# KiCad board EBAZ4205.kicad_pcb (continued)
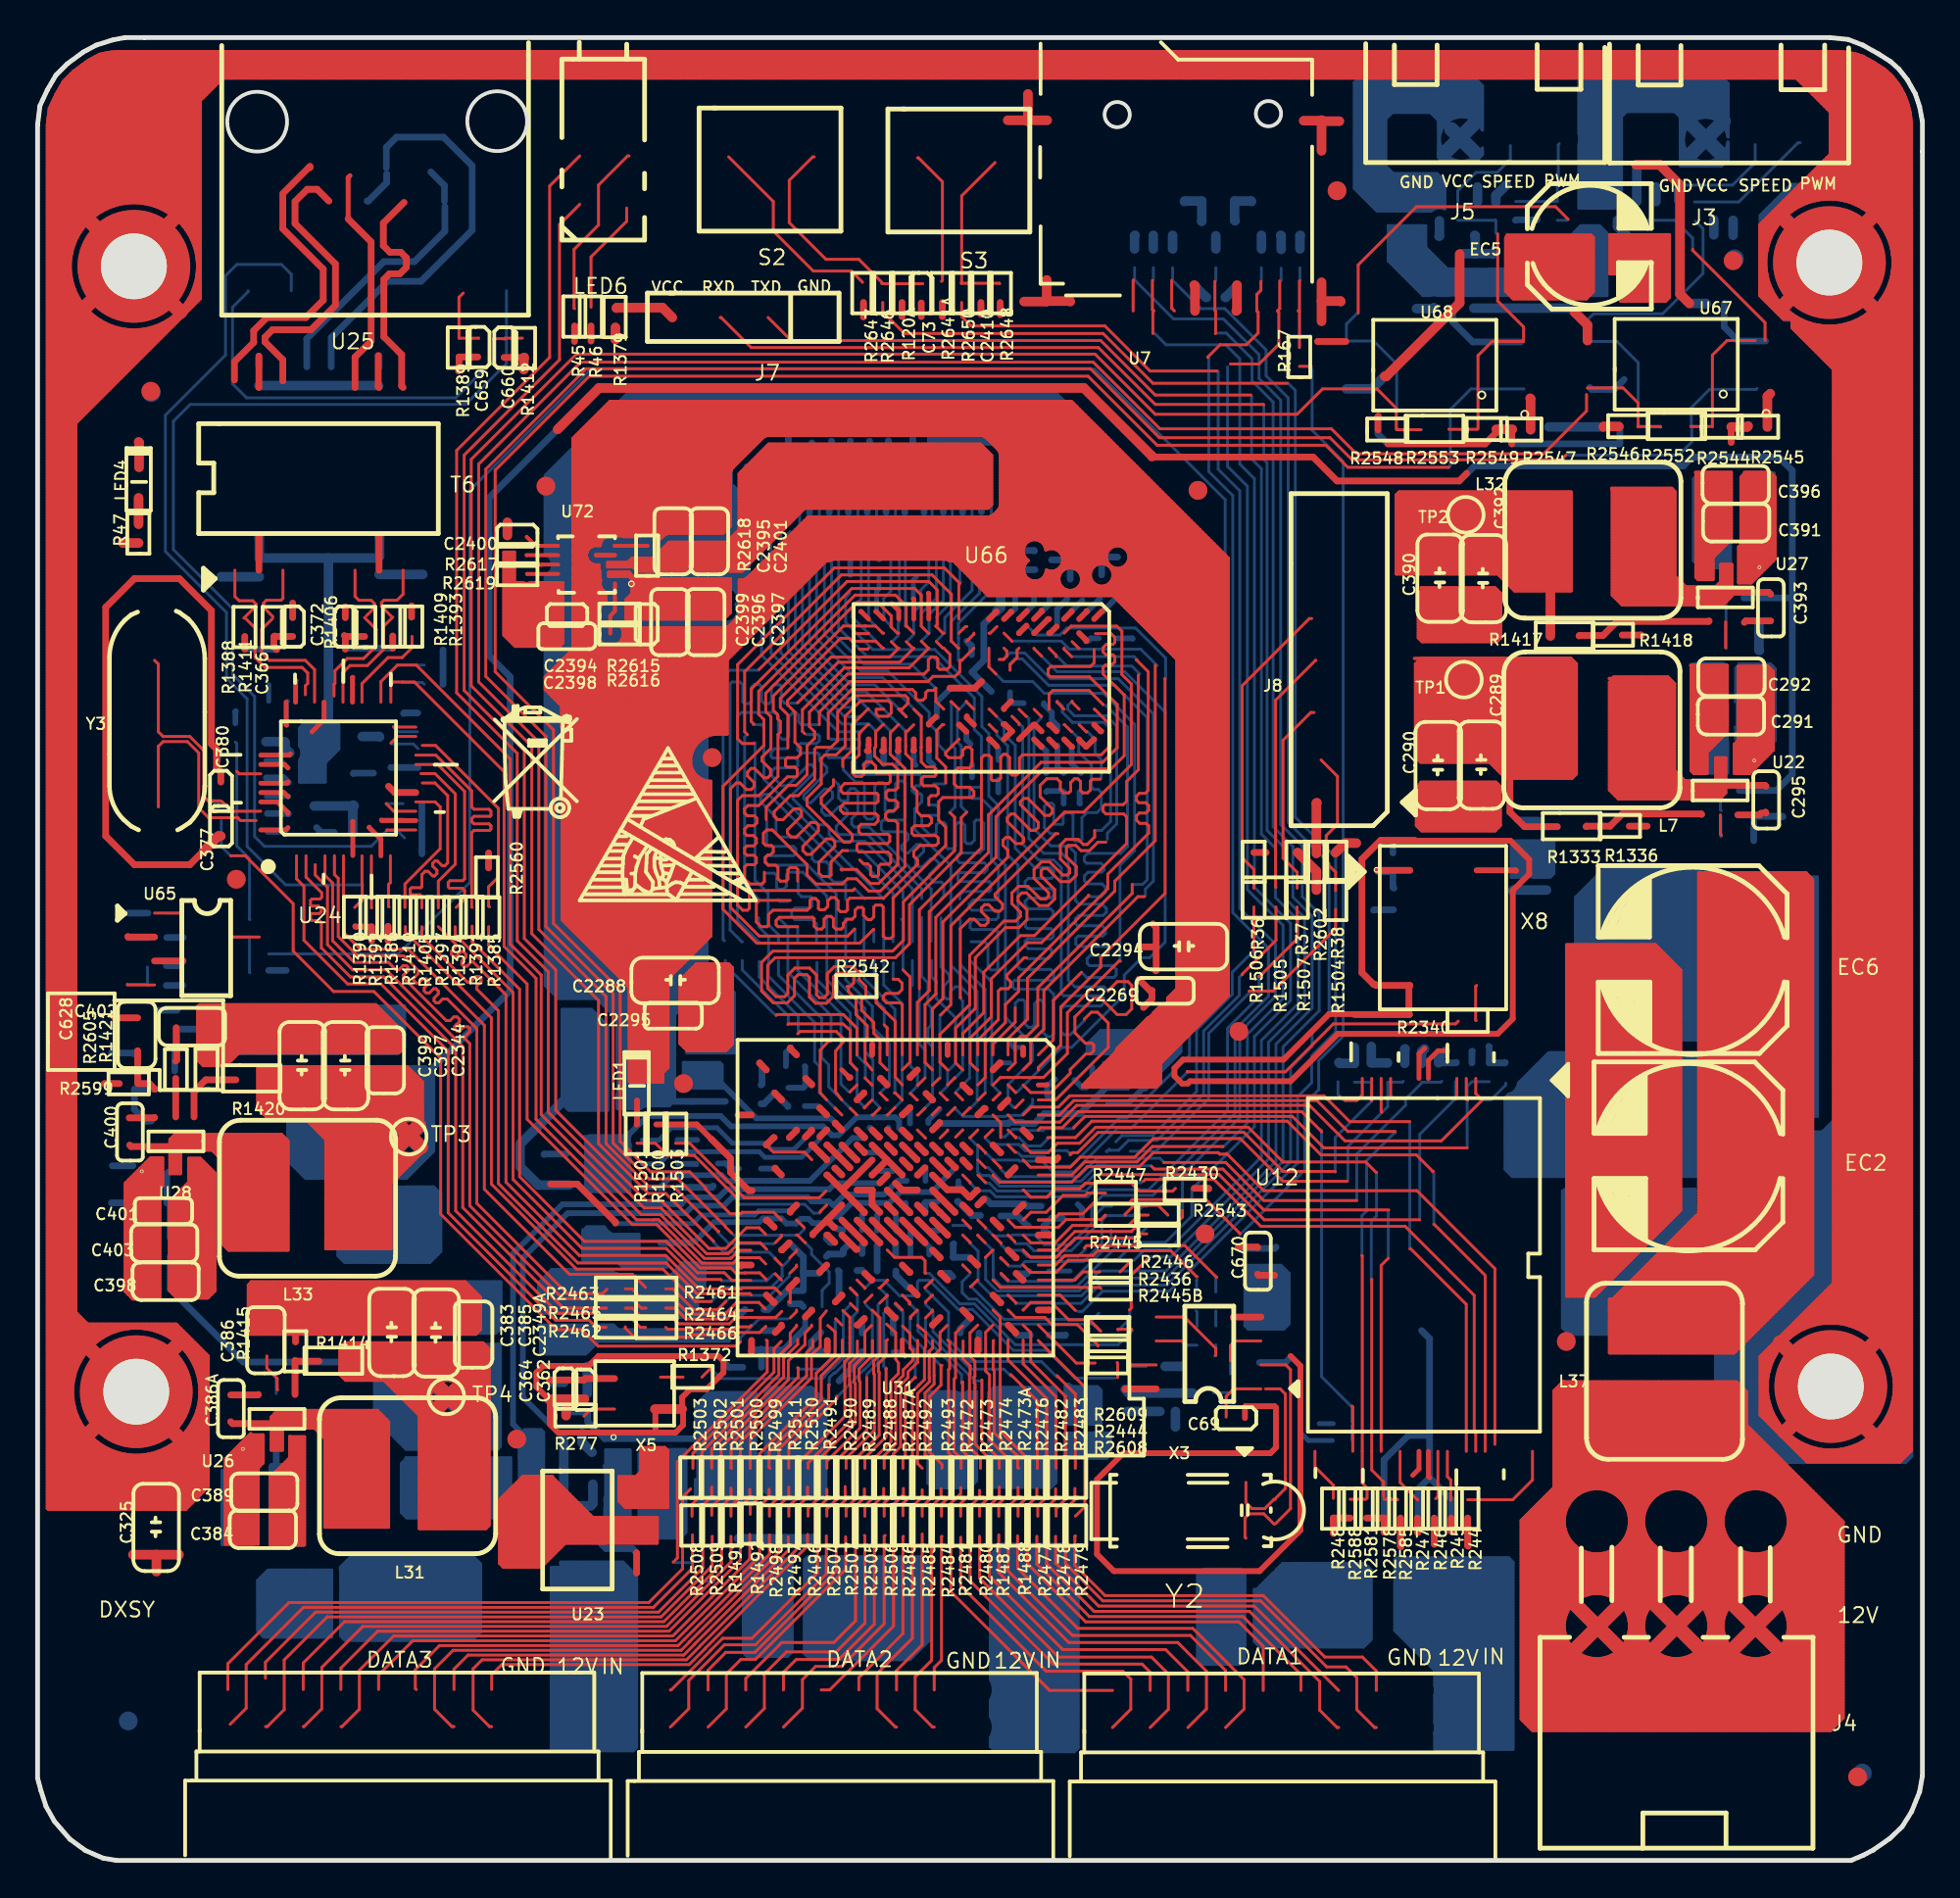
[diagram p0: board, top side]
## Routing (per net, layer and track width the routed paths; a pad name or vN(x,y) marks a point on that pad's centre or on a via; arc(x,y) is an arc through that point) (continued)
  In2.Cu w0.178: 0.54,50.26 1.89,50.26 ; 73.58,0.72 73.58,4.78 ; 95.37,20.08 95.37,21.98 ; 0.55,12.47 8.23,12.47 ; 0.53,86.08 2.12,86.08 ; 0.53,66.57 1.88,66.57 ; 31.67,0.72 31.67,4.7 ; 0.54,44.62 1.89,44.62 ; 91.67,24.51 92.26,24.51 ; 94.76,0.72 94.76,5.8 ; 95.9,11.7 99.27,11.7 ; 8.18,85.92 8.49,85.92 ; 21.31,0.72 21.31,4.67 ; 0.54,26.18 2.25,26.18 ; 57.73,0.72 57.73,4.75 ; 4.08,0.72 4.08,21.93 ; 95.68,28.46 95.68,29.04 ; 0.54,46.15 1.89,46.15 ; 0.53,70.38 1.88,70.38 ; 52.09,0.72 52.09,4.74 ; 0.54,20.54 8.3,20.54 ; 0.95,3.17 98.47,3.17 ; 0.53,81.5 7.2,81.5 ; 65.35,0.72 65.35,4.76 ; 0.53,58.8 1.88,58.8 ; 0.53,63.83 1.88,63.83 ; 92.32,23.16 92.32,24.28 ; 29.23,0.72 29.23,4.69 ; 66.72,0.72 66.72,4.77 ; 93.07,28.32 94.45,28.32 ; 86.53,0.72 86.53,4.81 ; 75.25,0.72 75.25,4.78 ; 87.45,0.72 87.45,4.81 ; 35.78,0.72 35.78,4.7 ; 53.92,0.72 53.92,4.74 ; 75.86,0.72 75.86,4.79 ; 16.89,0.72 16.89,4.66 ; 0.53,54.83 1.89,54.83 ; 8.06,83.48 8.48,83.48 ; 0.54,34.41 1.9,34.41 ; 0.54,21 8.3,21 ; 0.53,75.1 1.87,75.1 ; 1.13,2.87 98.17,2.87 ; 60.01,0.72 60.01,4.75 ; 0.53,79.98 5.66,79.98 ; 98.27,26.78 98.27,29.04 ; 19.32,0.72 19.32,4.67 ; 43.86,0.72 43.86,4.72 ; 0.53,80.74 6.43,80.74 ; 54.83,0.72 54.83,4.74 ; 0.54,35.48 1.9,35.48 ; 61.69,0.72 61.69,4.76 ; 96.4,28.32 99.27,28.32 ; 26.49,0.72 26.49,4.68 ; 94.61,20.85 94.61,22.09 ; 6.67,0.72 6.67,15.08 ; 1.65,93.24 8.53,93.24 ; 8.2,82.48 8.2,83.82 ; 6.43,15.82 7.49,15.82 ; 1.41,92.48 8.53,92.48 ; 0.55,10.18 8.21,10.18 ; 0.54,40.05 1.89,40.05 ; 4.85,88.08 4.85,95.79 ; 61.08,0.72 61.08,4.76 ; 53.46,0.72 53.46,4.74 ; 92.63,22.85 92.63,23.59 ; 96.29,28.35 96.29,29.04 ; 49.8,0.72 49.8,4.73 ; 33.19,0.72 33.19,4.7 ; 0.54,38.83 1.89,38.83 ; 0.54,37.61 1.89,37.61 ; 97.2,27.94 97.2,29.04 ; 48.28,0.72 48.28,4.73 ; 3.32,87.54 3.32,95.1 ; 92.65,22.83 93.24,22.83 ; 52.55,0.72 52.55,4.74 ; 37.92,0.72 37.92,4.71 ; 35.33,0.72 35.33,4.7 ; 78.15,0.72 78.15,4.79 ; 0.53,53.92 1.89,53.92 ; 0.53,64.59 1.88,64.59 ; 0.53,65.96 1.88,65.96 ; 53.31,0.72 53.31,4.74 ; 0.54,27.25 2.97,27.25 ; 6.96,27.71 7.08,27.71 ; 47.37,0.72 47.37,4.73 ; 94.15,28.21 94.15,29.04 ; 32.28,0.72 32.28,4.7 ; 0.53,74.8 1.87,74.8 ; 94,28.14 94,29.04 ; 22.68,0.72 22.68,4.68 ; 84.25,0.72 84.25,4.8 ; 93.41,22.07 94.69,22.07 ; 0.53,67.94 1.88,67.94 ; 97.96,2.66 97.96,23.21 ; 72.51,0.72 72.51,4.78 ; 0.55,6.52 8.18,6.52 ; 0.55,14.9 8.25,14.9 ; 2.71,26.97 2.71,28.33 ; 7.28,0.72 7.28,15.89 ; 0.53,85.01 1.89,85.01 ; 68.7,0.72 68.7,4.77 ; 6.37,15.83 6.37,21.91 ; 0.53,78.3 3.95,78.3 ; 0.54,38.68 1.89,38.68 ; 6.52,80.83 6.52,81.93 ; 4.24,87.97 4.24,95.65 ; 2.71,77.08 2.71,82.69 ; 2.92,94.76 8.54,94.76 ; 6.39,21.92 8.31,21.92 ; 0.53,79.22 4.88,79.22 ; 6.52,0.72 6.52,14.96 ; 0.53,78.76 4.42,78.76 ; 81.2,0.72 81.2,4.8 ; 0.53,79.67 5.35,79.67 ; 0.55,13.99 8.25,13.99 ; 9.42,0.72 9.42,4.65 ; 4.39,78.73 4.39,81.69 ; 6.22,0.72 6.22,14.93 ; 0.53,75.41 1.87,75.41 ; 4.24,28.03 4.24,28.3 ; 67.63,0.72 67.63,4.77 ; 85.92,0.72 85.92,4.81 ; 2.28,1.49 96.79,1.49 ; 41.27,0.72 41.27,4.72 ; 79.98,0.72 79.98,4.79 ; 39.9,0.72 39.9,4.71 ; 9.88,0.72 9.88,4.65 ; 0.53,58.49 1.88,58.49 ; 0.53,79.52 5.19,79.52 ; 89.12,0.72 89.12,4.81 ; 33.65,0.72 33.65,4.7 ; 0.55,18.41 8.28,18.41 ; 95.03,6.07 99.27,6.07 ; 0.54,51.02 1.89,51.02 ; 8.37,84.86 8.48,84.86 ; 0.52,89.12 8.51,89.12 ; 0.53,69.62 1.88,69.62 ; 63.22,0.72 63.22,4.76 ; 0.54,22.68 2.94,22.68 ; 40.51,0.72 40.51,4.71 ; 0.53,75.71 1.87,75.71 ; 62.61,0.72 62.61,4.76 ; 0.54,19.93 8.29,19.93 ; 7.8,86.69 8.49,86.69 ; 6.68,27.86 6.92,27.86 ; 5.41,16.58 7.19,16.58 ; 0.54,41.57 1.89,41.57 ; 0.54,51.79 1.89,51.79 ; 64.13,0.72 64.13,4.76 ; 36.55,0.72 36.55,4.71 ; 0.54,23.9 2.18,23.9 ; 0.54,39.59 1.89,39.59 ; 0.55,14.3 8.25,14.3 ; 4.85,16.67 4.85,21.73 ; 96.59,1.29 96.59,22.2 ; 15.06,0.72 15.06,4.66 ; 86.23,0.72 86.23,4.81 ; 0.53,70.53 1.88,70.53 ; 95.9,8.05 99.27,8.05 ; 0.53,62.45 1.88,62.45 ; 0.53,74.95 1.87,74.95 ; 4.39,88.01 4.39,95.68 ; 96.79,28.16 99.27,28.16 ; 0.55,10.94 8.22,10.94 ; 0.55,16.73 8.27,16.73 ; 0.54,31.97 1.9,31.97 ; 7.13,16.51 7.13,22.31 ; 0.55,16.12 4.64,16.12 ; 5.76,88.03 5.76,95.99 ; 0.68,90.19 8.51,90.19 ; 87.6,0.72 87.6,4.81 ; 51.48,0.72 51.48,4.74 ; 0.54,44.01 1.89,44.01 ; 97.08,28.01 99.27,28.01 ; 7.99,83.33 8.48,83.33 ; 94.58,5.61 99.27,5.61 ; 98.45,24.05 99.27,24.05 ; 95.9,12.62 99.27,12.62 ; 96.74,1.44 96.74,22.26 ; 4.85,28.17 4.85,28.31 ; 0.54,40.97 1.89,40.97 ; 2.71,87.01 2.71,94.59 ; 0.55,4.54 99.27,4.54 ; 0.55,3.93 99.23,3.93 ; 85.01,0.72 85.01,4.8 ; 55.29,0.72 55.29,4.74 ; 70.84,0.72 70.84,4.78 ; 2.86,87.17 2.86,94.72 ; 0.55,16.58 4.74,16.58 ; 18.41,0.72 18.41,4.67 ; 2.41,86.62 2.41,94.34 ; 44.77,0.72 44.77,4.72 ; 88.82,0.72 88.82,4.81 ; 92.93,22.55 92.93,23.15 ; 58.49,0.72 58.49,4.75 ; 3.63,0.75 3.63,22.14 ; 0.55,15.06 6,15.06 ; 88.36,0.72 88.36,4.81 ; 52.7,0.72 52.7,4.74 ; 0.54,29.69 1.9,29.69 ; 7.59,16.73 7.59,22.71 ; 5.46,28.18 5.46,28.31 ; 0.87,90.8 8.52,90.8 ; 0.54,22.37 3.29,22.37 ; 0.54,30.3 1.9,30.3 ; 41.57,0.72 41.57,4.72 ; 87.75,0.72 87.75,4.81 ; 91.67,24.35 92.3,24.35 ; 19.93,0.72 19.93,4.67 ; 0.53,85.31 1.92,85.31 ; 96.29,0.98 96.29,22.1 ; 0.54,52.85 1.89,52.85 ; 5.3,79.63 5.3,81.61 ; 82.11,0.72 82.11,4.8 ; 0.54,47.37 1.89,47.37 ; 95.21,20.24 99.27,20.24 ; 98.63,25.73 99.27,25.73 ; 0.54,33.65 1.9,33.65 ; 0.53,68.85 1.88,68.85 ; 5.68,81.66 7.36,81.66 ; 0.54,41.88 1.89,41.88 ; 8.05,82.33 8.05,83.45 ; 34.26,0.72 34.26,4.7 ; 0.53,59.56 1.88,59.56 ; 39.75,0.72 39.75,4.71 ; 0.53,67.48 1.88,67.48 ; 95.9,11.55 99.27,11.55 ; 81.5,0.72 81.5,4.8 ; 0.92,90.95 8.52,90.95 ; 91.64,26.18 92.33,26.18 ; 0.55,11.4 8.22,11.4 ; 45.23,0.72 45.23,4.72 ; 0.54,47.82 1.89,47.82 ; 0.54,25.42 2.04,25.42 ; 0.53,82.57 2.82,82.57 ; 50.57,0.72 50.57,4.73 ; 0.54,26.79 2.58,26.79 ; 93.09,22.39 93.09,22.98 92.5,22.98 ; 0.54,36.09 1.9,36.09 ; 4.69,88.06 4.69,95.75 ; 63.98,0.72 63.98,4.76 ; 97.81,2.51 97.81,23.03 ; 0.54,52.55 1.89,52.55 ; 0.53,54.68 1.89,54.68 ; 55.14,0.72 55.14,4.74 ; 14.14,0.72 14.14,4.66 ; 2.26,86.36 2.26,94.21 ; 11.4,0.72 11.4,4.65 ; 6.24,81.81 7.51,81.81 ; 0.54,43.4 1.89,43.4 ; 8.1,26.49 8.33,26.49 ; 85.31,0.72 85.31,4.81 ; 16.28,0.72 16.28,4.66 ; 93.71,21.76 99.27,21.76 ; 0.73,3.54 0.73,90.35 ; 91.75,23.74 92.54,23.74 ; 0.54,45.99 1.89,45.99 ; 68.55,0.72 68.55,4.77 ; 6.07,80.38 6.07,81.75 ; 98.67,25.27 99.27,25.27 ; 0.53,74.34 1.88,74.34 ; 0.54,34.72 1.9,34.72 ; 0.54,39.29 1.89,39.29 ; 20.54,0.72 20.54,4.67 ; 95.9,19.48 99.27,19.48 ; 97.66,27.57 97.66,29.04 ; 0.54,38.22 1.89,38.22 ; 2.1,76.48 2.1,83.68 ; 3.17,77.53 3.17,82.26 ; 95.9,9.42 99.27,9.42 ; 0.53,58.03 1.88,58.03 ; 6.22,87.9 6.22,96.07 ; 8.31,84.25 8.48,84.25 ; 12.16,0.72 12.16,4.66 ; 0.54,32.89 1.9,32.89 ; 16.43,0.72 16.43,4.66 ; 95.9,13.53 99.27,13.53 ; 13.99,0.72 13.99,4.66 ; 0.54,35.63 1.9,35.63 ; 1.79,93.7 8.53,93.7 ; 76.63,0.72 76.63,4.79 ; 95.9,14.45 99.27,14.45 ; 0.53,73.27 1.88,73.27 ; 29.99,0.72 29.99,4.69 ; 95.9,15.06 99.27,15.06 ; 95.9,7.74 99.27,7.74 ; 0.53,87.45 3.19,87.45 ; 0.54,49.19 1.89,49.19 ; 36.09,0.72 36.09,4.7 ; 0.55,17.19 8.27,17.19 ; 0.54,52.4 1.89,52.4 ; 58.34,0.72 58.34,4.75 ; 0.54,43.86 1.89,43.86 ; 1.95,76.33 1.95,84.2 ; 85.47,0.72 85.47,4.81 ; 95.9,13.23 99.27,13.23 ; 8.05,0.72 8.05,23.31 ; 6.98,87.51 6.98,96.07 ; 68.4,0.72 68.4,4.77 ; 88.97,0.72 88.97,4.81 ; 0.54,30.14 1.9,30.14 ; 0.55,9.72 8.21,9.72 ; 0.53,55.29 1.89,55.29 ; 29.38,0.72 29.38,4.69 ; 86.08,0.72 86.08,4.81 ; 0.54,29.54 1.9,29.54 ; 77.39,0.72 77.39,4.79 ; 0.54,28.62 2.43,28.62 ; 1.65,1.99 1.65,93.23 ; 98.31,23.74 99.27,23.74 ; 0.54,38.98 1.89,38.98 ; 18.87,0.72 18.87,4.67 ; 8.2,26.3 8.2,26.61 ; 0.54,40.2 1.89,40.2 ; 44.47,0.72 44.47,4.72 ; 0.55,15.82 5.04,15.82 ; 65.81,0.72 65.81,4.77 ; 85.77,0.72 85.77,4.81 ; 0.54,41.73 1.89,41.73 ; 97.68,27.55 99.27,27.55 ; 47.06,0.72 47.06,4.73 ; 97.66,2.36 97.66,22.88 ; 59.1,0.72 59.1,4.75 ; 1.67,1.95 97.25,1.95 ; 92.17,0.72 92.17,4.82 ; 0.53,58.95 1.88,58.95 ; 7.89,0.72 7.89,16.01 ; 73.27,0.72 73.27,4.78 ; 17.8,0.72 17.8,4.67 ; 0.53,63.52 1.88,63.52 ; 29.53,0.72 29.53,4.69 ; 4.39,0.72 4.39,21.83 ; 58.8,0.72 58.8,4.75 ; 6.67,27.86 6.67,28.1 ; 94.28,5.3 99.27,5.3 ; 92.32,0.72 92.32,4.82 ; 0.55,17.95 8.28,17.95 ; 5.76,0.72 5.76,21.75 ; 0.54,44.78 1.89,44.78 ; 0.53,78.61 4.26,78.61 ; 8.19,23.59 8.32,23.59 ; 95.9,13.84 99.27,13.84 ; 12.77,0.72 12.77,4.66 ; 0.55,6.68 8.19,6.68 ; 88.21,0.72 88.21,4.81 ; 93.26,22.22 94.21,22.22 ; 8.19,83.79 8.48,83.79 ; 98.5,24.2 99.27,24.2 ; 0.55,17.65 8.28,17.65 ; 92.09,27.4 93.02,27.4 ; 0.54,21.61 8.31,21.61 ; 2.1,25.73 2.1,28.96 ; 95.9,10.94 99.27,10.94 ; 46.91,0.72 46.91,4.73 ; 0.55,5.91 8.18,5.91 ; 0.54,50.41 1.89,50.41 ; 4.39,28.07 4.39,28.3 ; 0.54,41.12 1.89,41.12 ; 45.84,0.72 45.84,4.72 ; 95.67,19.78 99.27,19.78 ; 28.62,0.72 28.62,4.69 ; 0.53,59.86 1.88,59.86 ; 6.98,0.72 6.98,22.21 ; 89.43,0.72 89.43,4.81 ; 2.01,1.65 96.95,1.65 ; 0.53,73.58 1.88,73.58 ; 82.87,0.72 82.87,4.8 ; 0.54,38.37 1.89,38.37 ; 36.24,0.72 36.24,4.7 ; 0.54,28.93 2.13,28.93 ; 6.83,87.61 6.83,96.07 ; 98.07,27.1 99.27,27.1 ; 78,0.72 78,4.79 ; 1.49,2.26 97.56,2.26 ; 56.05,0.72 56.05,4.75 ; 0.53,63.22 1.88,63.22 ; 19.78,0.72 19.78,4.67 ; 98.66,25.42 99.27,25.42 ; 95.9,11.25 99.27,11.25 ; 0.54,36.55 1.9,36.55 ; 79.52,0.72 79.52,4.79 ; 18.71,0.72 18.71,4.67 ; 95.9,10.48 99.27,10.48 ; 0.53,84.7 1.89,84.7 ; 94.15,0.72 94.15,5.18 ; 0.53,77.69 3.33,77.69 ; 0.53,61.08 1.88,61.08 ; 0.53,65.5 1.88,65.5 ; 0.54,20.7 8.3,20.7 ; 74.49,0.72 74.49,4.78 ; 95.52,19.92 95.52,21.99 ; 95.9,18.87 99.27,18.87 ; 91.66,24.81 92.21,24.81 ; 0.55,12.31 8.23,12.31 ; 92.32,26.17 92.32,27.62 ; 91.67,23.9 92.47,23.9 ; 49.96,0.72 49.96,4.73 ; 0.55,12.16 8.23,12.16 ; 17.95,0.72 17.95,4.67 ; 95.9,18.56 99.27,18.56 ; 0.55,8.96 8.2,8.96 ; 98.47,26.33 99.27,26.33 ; 0.54,32.58 1.9,32.58 ; 0.54,38.53 1.89,38.53 ; 5.61,28.17 5.61,28.31 ; 92.35,23.13 92.95,23.13 ; 7.59,86.96 7.59,96.06 ; 95.9,7.59 99.27,7.59 ; 6.37,0.72 6.37,14.92 ; 0.54,42.18 1.89,42.18 ; 15.97,0.72 15.97,4.66 ; 0.54,45.38 1.89,45.38 ; 9.72,0.72 9.72,4.65 ; 19.17,0.72 19.17,4.67 ; 0.55,18.56 8.28,18.56 ; 38.07,0.72 38.07,4.71 ; 61.54,0.72 61.54,4.76 ; 86.99,0.72 86.99,4.81 ; 21.46,0.72 21.46,4.67 ; 41.73,0.72 41.73,4.72 ; 95.9,16.89 99.27,16.89 ; 8.2,8.34 8.2,23.6 ; 38.37,0.72 38.37,4.71 ; 0.53,54.38 1.89,54.38 ; 28.32,0.72 28.32,4.69 ; 7.59,0.72 7.59,15.82 ; 1.95,85.5 1.95,93.96 ; 0.54,26.64 2.48,26.64 ; 0.53,61.23 1.88,61.23 ; 89.73,0.72 89.73,4.81 ; 27.1,0.72 27.1,4.69 ; 22.37,0.72 22.37,4.68 ; 2.26,1.51 2.26,23.71 ; 30.91,0.72 30.91,4.69 ; 1.5,92.78 8.53,92.78 ; 5.91,0.72 5.91,15.18 ; 12.62,0.72 12.62,4.66 ; 45.38,0.72 45.38,4.72 ; 0.53,55.14 1.89,55.14 ; 0.53,66.87 1.88,66.87 ; 52.24,0.72 52.24,4.74 ; 61.23,0.72 61.23,4.76 ; 92.93,0.72 92.93,4.82 ; 64.28,0.72 64.28,4.76 ; 0.53,87.29 3,87.29 ; 0.53,71.9 1.88,71.9 ; 73.73,0.72 73.73,4.78 ; 0.54,40.51 1.89,40.51 ; 0.54,20.09 8.3,20.09 ; 33.95,0.72 33.95,4.7 ; 0.53,81.05 6.74,81.05 ; 0.54,30.75 1.9,30.75 ; 4.69,0.72 4.69,16.02 ; 42.95,0.72 42.95,4.72 ; 95.22,0.72 95.22,6.26 ; 33.5,0.72 33.5,4.7 ; 0.54,27.1 2.82,27.1 ; 0.54,27.4 3.13,27.4 ; 0.54,33.19 1.9,33.19 ; 95.18,6.22 99.27,6.22 ; 0.53,80.89 6.58,80.89 ; 95.9,15.67 99.27,15.67 ; 0.55,17.5 8.27,17.5 ; 95.9,9.88 99.27,9.88 ; 96.16,22.07 99.27,22.07 ; 93.85,0.72 93.85,4.87 ; 0.54,33.04 1.9,33.04 ; 3.65,95.37 8.54,95.37 ; 96.44,28.3 96.44,29.04 ; 0.53,65.35 1.88,65.35 ; 7.9,83.18 8.47,83.18 ; 46.3,0.72 46.3,4.73 ; 97.31,27.86 99.27,27.86 ; 0.53,70.07 1.88,70.07 ; 95.07,28.45 95.07,29.04 ; 1.4,2.41 97.71,2.41 ; 92.26,27.55 93.17,27.55 ; 0.53,60.78 1.88,60.78 ; 0.53,81.66 4.57,81.66 ; 0.54,51.63 1.89,51.63 ; 0.54,21.15 8.3,21.15 ; 0.53,66.11 1.88,66.11 ; 0.54,28.32 2.73,28.32 ; 4.24,78.58 4.24,81.73 ; 65.04,0.72 65.04,4.76 ; 11.86,0.72 11.86,4.65 ; 0.54,51.33 1.89,51.33 ; 29.69,0.72 29.69,4.69 ; 0.54,36.24 1.9,36.24 ; 0.55,9.11 8.21,9.11 ; 46.45,0.72 46.45,4.73 ; 95.9,16.73 99.27,16.73 ; 95.9,7.44 99.27,7.44 ; 0.53,74.19 1.88,74.19 ; 69.31,0.72 69.31,4.77 ; 91.56,0.72 91.56,4.82 ; 99.27,20.7 94.76,20.7 94.76,22.05 ; 0.54,33.8 1.9,33.8 ; 92.78,0.72 92.78,4.82 ; 0.54,29.99 1.9,29.99 ; 91.64,25.88 92.25,25.88 ; 22.83,0.72 22.83,4.68 ; 0.53,57.27 1.88,57.27 ; 0.55,13.69 8.24,13.69 ; 0.53,72.36 1.88,72.36 ; 8.33,85.31 8.49,85.31 ; 22.22,0.72 22.22,4.68 ; 0.54,53.77 1.89,53.77 ; 7.86,16.58 8.27,16.58 ; 1.04,3.02 98.32,3.02 ; 97.96,27.25 99.27,27.25 ; 37.46,0.72 37.46,4.71 ; 12.01,0.72 12.01,4.65 ; 0.53,84.25 1.94,84.25 ; 0.53,56.05 1.88,56.05 ; 95.9,19.17 99.27,19.17 ; 0.55,17.8 8.28,17.8 ; 0.53,84.4 1.92,84.4 ; 0.53,84.09 1.97,84.09 ; 95.22,28.46 95.22,29.04 ; 0.55,18.11 8.28,18.11 ; 97.2,1.9 97.2,22.51 ; 0.54,44.17 1.89,44.17 ; 0.53,81.81 4.01,81.81 ; 0.54,34.87 1.9,34.87 ; 71.6,0.72 71.6,4.78 ; 0.54,37.31 1.89,37.31 ; 0.53,54.07 1.89,54.07 ; 5.3,16.67 5.3,21.71 ; 8.02,26.64 8.17,26.64 ; 0.53,55.44 1.89,55.44 ; 7.44,81.73 7.44,82.58 ; 84.55,0.72 84.55,4.8 ; 0.53,66.72 1.88,66.72 ; 91.63,26.64 92.51,26.64 ; 86.68,0.72 86.68,4.81 ; 0.55,8.05 8.2,8.05 ; 31.52,0.72 31.52,4.69 ; 5,88.09 5,95.82 ; 0.53,76.47 2.1,76.47 ; 60.93,0.72 60.93,4.76 ; 34.72,0.72 34.72,4.7 ; 54.99,0.72 54.99,4.74 ; 63.52,0.72 63.52,4.76 ; 0.54,33.95 1.9,33.95 ; 91.9,23.59 92.63,23.59 ; 97.9,23.13 99.27,23.13 ; 58.64,0.72 58.64,4.75 ; 0.68,3.63 98.93,3.63 ; 0.54,40.36 1.89,40.36 ; 91.63,26.49 92.44,26.49 ; 0.54,30.91 1.9,30.91 ; 76.47,0.72 76.47,4.79 ; 53.61,0.72 53.61,4.74 ; 0.54,39.9 1.89,39.9 ; 91.67,24.2 92.35,24.2 ; 0.55,4.85 8.5,4.85 ; 3.78,0.72 3.78,22.06 ; 32.43,0.72 32.43,4.7 ; 12.47,0.72 12.47,4.66 ; 64.74,0.72 64.74,4.76 ; 0.54,43.71 1.89,43.71 ; 88.06,0.72 88.06,4.81 ; 80.44,0.72 80.44,4.8 ; 66.11,0.72 66.11,4.77 ; 0.54,53 1.89,53 ; 43.71,0.72 43.71,4.72 ; 0.54,33.35 1.9,33.35 ; 81.05,0.72 81.05,4.8 ; 0.73,90.34 8.52,90.34 ; 71.14,0.72 71.14,4.78 ; 8.2,0.72 8.2,5.12 ; 5.91,15.57 5.91,21.78 ; 8.03,23.29 8.32,23.29 ; 22.07,0.72 22.07,4.68 ; 78.61,0.72 78.61,4.79 ; 48.74,0.72 48.74,4.73 ; 5.46,79.78 5.46,81.63 ; 46.6,0.72 46.6,4.73 ; 2.1,86.02 2.1,94.09 ; 4.54,28.11 4.54,28.3 ; 0.55,11.55 8.23,11.55 ; 0.53,71.45 1.88,71.45 ; 0.54,29.38 1.9,29.38 ; 6.22,80.53 6.22,81.8 ; 5.15,28.19 5.15,28.31 ; 6.22,28.04 6.22,28.32 ; 0.54,30.45 1.9,30.45 ; 0.55,5.61 8.18,5.61 ; 90.34,0.72 90.34,4.82 ; 0.53,78 3.64,78 ; 0.53,76.32 1.94,76.32 ; 59.25,0.72 59.25,4.75 ; 0.54,31.52 1.9,31.52 ; 0.54,48.89 1.89,48.89 ; 8.35,85.16 8.49,85.16 ; 3.47,0.83 3.47,22.24 ; 10.64,0.72 10.64,4.65 ; 0.52,88.97 8.51,88.97 ; 91.65,25.73 92.22,25.73 ; 0.54,53.61 1.89,53.61 ; 0.55,6.07 8.18,6.07 ; 82.57,0.72 82.57,4.8 ; 0.53,82.27 3.17,82.27 ; 60.78,0.72 60.78,4.76 ; 0.55,15.21 5.9,15.21 ; 14.9,0.72 14.9,4.66 ; 57.42,0.72 57.42,4.75 ; 47.21,0.72 47.21,4.73 ; 0.54,44.93 1.89,44.93 ; 7.74,0.72 7.74,15.87 ; 0.55,6.37 8.18,6.37 ; 7.83,22.98 8.32,22.98 ; 91.26,0.72 91.26,4.82 ; 77.54,0.72 77.54,4.79 ; 0.53,89.73 8.51,89.73 ; 1.31,2.56 97.86,2.56 ; 0.54,49.8 1.89,49.8 ; 0.53,67.18 1.88,67.18 ; 27.55,0.72 27.55,4.69 ; 67.79,0.72 67.79,4.77 ; 94.16,21.31 99.27,21.31 ; 10.33,0.72 10.33,4.65 ; 79.83,0.72 79.83,4.79 ; 0.54,19.78 8.29,19.78 ; 0.54,40.66 1.89,40.66 ; 79.06,0.72 79.06,4.79 ; 66.26,0.72 66.26,4.77 ; 82.27,0.72 82.27,4.8 ; 95.9,12.31 99.27,12.31 ; 0.54,53.31 1.89,53.31 ; 95.9,17.34 99.27,17.34 ; 94,0.72 94,5.02 ; 45.54,0.72 45.54,4.72 ; 0.55,14.6 8.25,14.6 ; 0.54,22.07 3.77,22.07 ; 80.89,0.72 80.89,4.8 ; 38.68,0.72 38.68,4.71 ; 3.47,87.64 3.47,95.22 ; 3.78,78.13 3.78,81.9 ; 0.55,9.27 8.21,9.27 ; 59.86,0.72 59.86,4.75 ; 0.54,21.92 4.11,21.92 ; 0.55,8.2 8.2,8.2 ; 26.03,0.72 26.03,4.68 ; 11.55,0.72 11.55,4.65 ; 0.52,88.51 8.5,88.51 ; 0.54,46.45 1.89,46.45 ; 1.16,91.71 8.52,91.71 ; 3.93,87.86 3.93,95.58 ; 20.85,0.72 20.85,4.67 ; 62.45,0.72 62.45,4.76 ; 95.9,8.66 99.27,8.66 ; 0.53,60.32 1.88,60.32 ; 95.9,17.04 99.27,17.04 ; 93.56,21.92 99.27,21.92 ; 0.53,68.7 1.88,68.7 ; 42.34,0.72 42.34,4.72 ; 0.54,43.56 1.89,43.56 ; 95.9,9.11 99.27,9.11 ; 49.35,0.72 49.35,4.73 ; 41.12,0.72 41.12,4.71 ; 78.46,0.72 78.46,4.79 ; 95.9,15.36 99.27,15.36 ; 0.53,69.77 1.88,69.77 ; 3.93,78.28 3.93,81.84 ; 87.29,0.72 87.29,4.81 ; 0.55,6.83 8.19,6.83 ; 74.65,0.72 74.65,4.78 ; 57.58,0.72 57.58,4.75 ; 91.41,0.72 91.41,4.82 ; 0.54,23.29 2.47,23.29 ; 0.55,7.59 8.19,7.59 ; 0.55,18.26 8.28,18.26 ; 7.89,26.82 7.89,26.91 ; 0.53,84.55 1.9,84.55 ; 0.53,56.51 1.88,56.51 ; 0.53,81.96 3.66,81.96 ; 2.86,1.17 2.86,22.76 ; 25.88,0.72 25.88,4.68 ; 59.71,0.72 59.71,4.75 ; 0.55,14.75 8.25,14.75 ; 0.55,5.76 8.18,5.76 ; 0.52,89.58 8.51,89.58 ; 59.41,0.72 59.41,4.75 ; 98.57,3.27 98.57,24.45 ; 68.85,0.72 68.85,4.77 ; 3.63,77.98 3.63,81.98 ; 0.53,71.6 1.88,71.6 ; 0.53,65.2 1.88,65.2 ; 95.9,14.9 99.27,14.9 ; 0.53,66.42 1.88,66.42 ; 0.55,5.3 8.17,5.3 ; 98.66,25.12 99.27,25.12 ; 5.15,0.72 5.15,15.82 ; 43.56,0.72 43.56,4.72 ; 0.54,25.12 2.01,25.12 ; 51.63,0.72 51.63,4.74 ; 0.54,48.74 1.89,48.74 ; 3.78,87.8 3.78,95.48 ; 7.28,16.66 7.28,22.43 ; 0.53,68.24 1.88,68.24 ; 73.12,0.72 73.12,4.78 ; 10.48,0.72 10.48,4.65 ; 5.42,15.97 7.18,15.97 ; 7.74,86.76 7.74,96.06 ; 36.85,0.72 36.85,4.71 ; 53.16,0.72 53.16,4.74 ; 0.55,7.28 8.19,7.28 ; 0.55,11.25 8.22,11.25 ; 97.35,2.05 97.35,22.62 ; 5.11,15.82 6.22,15.82 ; 80.28,0.72 80.28,4.8 ; 93.54,21.93 93.54,22.59 ; 6.75,15.21 8.26,15.21 ; 67.94,0.72 67.94,4.77 ; 38.98,0.72 38.98,4.71 ; 0.54,34.56 1.9,34.56 ; 88.67,0.72 88.67,4.81 ; 1.36,92.32 8.53,92.32 ; 1.95,1.68 1.95,29.11 ; 0.54,41.27 1.89,41.27 ; 92.02,23.47 92.02,27.33 ; 0.53,74.49 1.88,74.49 ; 95.9,10.64 99.27,10.64 ; 0.55,7.44 8.19,7.44 ; 6.37,80.68 6.37,81.86 ; 95.9,14.14 99.27,14.14 ; 28.16,0.72 28.16,4.69 ; 0.53,63.37 1.88,63.37 ; 0.54,23.13 2.57,23.13 ; 92.42,27.71 93.34,27.71 ; 0.54,40.81 1.89,40.81 ; 6.37,27.99 6.37,28.32 ; 0.53,59.1 1.88,59.1 ; 0.53,79.37 5.04,79.37 ; 0.53,87.75 3.68,87.75 ; 89.89,0.72 89.89,4.81 ; 57.12,0.72 57.12,4.75 ; 98.13,23.44 99.27,23.44 ; 34.56,0.72 34.56,4.7 ; 94.91,20.54 94.91,22.02 ; 8.35,0.72 8.35,4.99 ; 94.91,28.43 94.91,29.04 ; 7.43,82.57 8.29,82.57 ; 3.32,77.68 3.32,82.16 ; 74.34,0.72 74.34,4.78 ; 45.08,0.72 45.08,4.72 ; 6.67,80.98 6.67,82 ; 95.9,12.01 99.27,12.01 ; 92.78,27.1 92.78,28.04 ; 0.53,78.91 4.57,78.91 ; 1.8,1.76 1.8,93.71 ; 76.78,0.72 76.78,4.79 ; 96.9,1.59 96.9,22.34 ; 38.53,0.72 38.53,4.71 ; 0.53,69.01 1.88,69.01 ; 5.91,80.23 5.91,81.71 ; 0.53,82.42 2.98,82.42 ; 95.9,13.08 99.27,13.08 ; 0.54,48.28 1.89,48.28 ; 0.53,82.88 2.55,82.88 ; 54.22,0.72 54.22,4.74 ; 76.17,0.72 76.17,4.79 ; 94.15,21.31 94.15,22.24 ; 0.55,15.36 5.87,15.36 ; 20.39,0.72 20.39,4.67 ; 0.52,88.82 8.51,88.82 ; 40.81,0.72 40.81,4.71 ; 0.55,13.53 8.24,13.53 ; 15.21,0.72 15.21,4.66 ; 0.55,4.69 8.67,4.69 ; 0.53,56.66 1.88,56.66 ; 0.55,8.5 8.2,8.5 ; 93.4,28.62 99.27,28.62 ; 0.53,80.44 6.12,80.44 ; 95.9,8.5 99.27,8.5 ; 35.48,0.72 35.48,4.7 ; 92.48,23.01 92.48,23.88 ; 0.54,49.96 1.89,49.96 ; 0.53,72.97 1.88,72.97 ; 0.55,5.46 8.18,5.46 ; 97.81,27.42 97.81,29.04 ; 3.17,87.44 3.17,94.97 ; 0.54,49.04 1.89,49.04 ; 6.84,87.6 8.5,87.6 ; 7.96,16.12 8.26,16.12 ; 1.19,2.77 1.19,91.79 ; 97.51,2.2 97.51,22.74 ; 93.39,0.72 93.39,4.82 ; 95.68,19.77 95.68,21.99 ; 84.4,0.72 84.4,4.8 ; 7.9,86.53 8.49,86.53 ; 0.54,24.51 2.04,24.51 ; 4.54,0.72 4.54,21.79 ; 86.84,0.72 86.84,4.81 ; 9.11,0.72 9.11,4.65 ; 0.54,48.59 1.89,48.59 ; 92.78,22.7 92.78,23.35 ; 7,22.22 8.31,22.22 ; 52.39,0.72 52.39,4.74 ; 94.61,20.85 99.27,20.85 ; 0.54,20.85 8.3,20.85 ; 76.32,0.72 76.32,4.79 ; 39.44,0.72 39.44,4.71 ; 6.67,87.7 6.67,96.07 ; 0.55,10.03 8.21,10.03 ; 0.54,26.94 2.69,26.94 ; 93.97,5 99.27,5 ; 42.64,0.72 42.64,4.72 ; 8.23,85.77 8.49,85.77 ; 37,0.72 37,4.71 ; 93.09,27.47 93.09,28.33 ; 5.15,16.73 5.15,21.71 ; 65.5,0.72 65.5,4.76 ; 7.87,15.97 8.26,15.97 ; 0.53,59.25 1.88,59.25 ; 5,79.33 5,81.61 ; 0.54,26.49 2.4,26.49 ; 35.17,0.72 35.17,4.7 ; 0.54,21.46 8.31,21.46 ; 0.54,36.7 1.9,36.7 ; 74.19,0.72 74.19,4.78 ; 0.55,13.23 8.24,13.23 ; 0.53,68.55 1.88,68.55 ; 0.53,57.58 1.88,57.58 ; 96.96,22.37 99.27,22.37 ; 0.53,73.43 1.88,73.43 ; 97.96,27.24 97.96,29.04 ; 0.54,51.94 1.89,51.94 ; 37.31,0.72 37.31,4.71 ; 87.9,0.72 87.9,4.81 ; 31.97,0.72 31.97,4.7 ; 96.44,1.14 96.44,22.15 ; 0.53,60.17 1.88,60.17 ; 98.17,26.94 99.27,26.94 ; 0.58,89.89 8.51,89.89 ; 0.54,37.76 1.89,37.76 ; 0.54,37.92 1.89,37.92 ; 97.05,28.03 97.05,29.04 ; 0.53,67.79 1.88,67.79 ; 65.65,0.72 